# Altium PCB MB1428.PcbDoc (part 4 of 7)
Units mm, origin at the board's own origin, x right, y up, seen from the top; angles counter-clockwise.
Board outline 55.88 x 152.4 mm, 4 copper layers (Top Layer, Signal Layer 1, Signal Layer 2, Bottom Layer), stack 1.614 mm thick; 396 components, 227 nets, 1346 pads, 1469 vias.
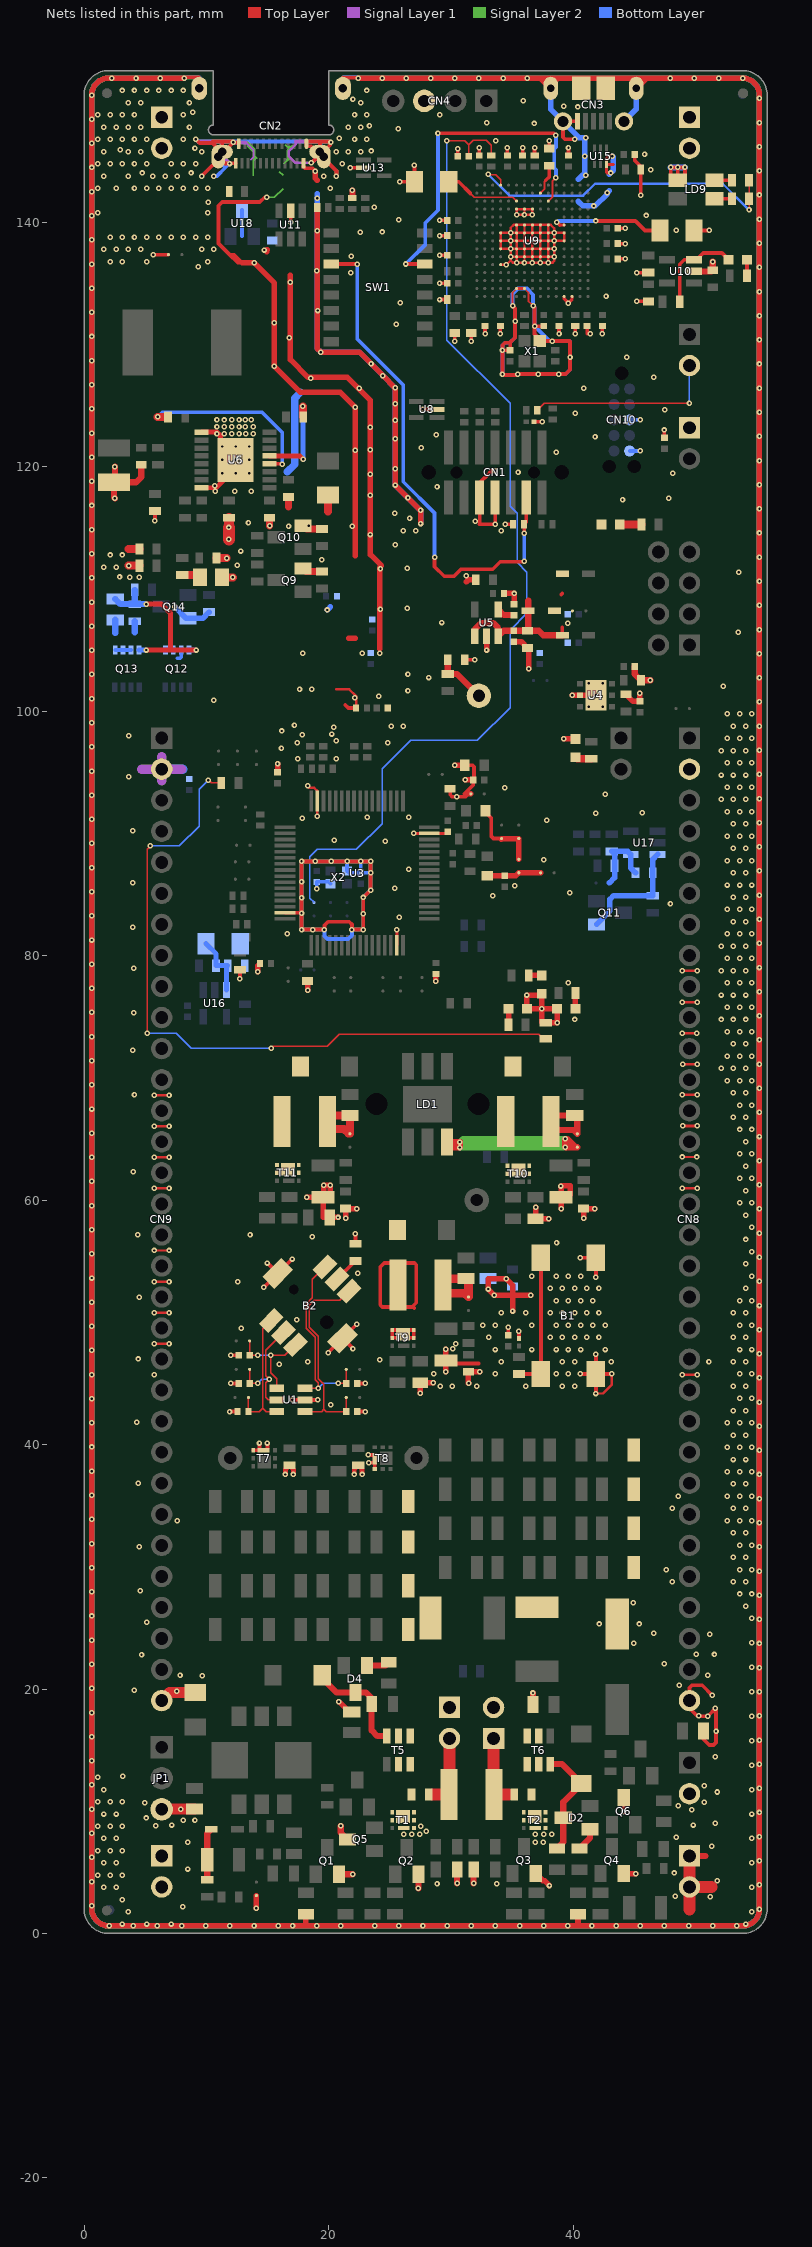
[diagram p6: the nets of this part, all layers, seen from the top]

## Via types
v1: diameter 0.45, hole 0.2, Top Layer to Bottom Layer, tented both sides, 1460 vias
v2: diameter 0.6, hole 0.2, Top Layer to Bottom Layer, tented both sides, 9 vias

## Nets (pads, with @x,y where several pads share a name; then routed paths per layer and width w, separated by ;. In a path a pad name is that pad's centre, name@x,y a point inside that pad or via, vN(x,y) a via of type N, cw(c..) or ccw(c..) an arc to the next point about the centre after c; other vN are vias at no path point) (continued)
GND: B1.3 B1.4 B2.7 B2.8 C4.1 C5.1 C6.1 C7.2 C8.1 C9.1 C10.1 C11.1 C12.1 C13.1 C14.1 C15.1 C16.1 C18.1 C19.1 C23.1 C24.1 C25.1 C30.1 C32.1 C33.1 C34.1 C35.1 C36.1 C37.1 C38.1 C39.1 C40.1 C41.1 C42.1 C43.1 C44.1 C45.1 C46.1 C47.1 C48.1 C49.1 C51.2 C52.1 C53.1 C54.1 C55.1 C56.1 C59.1 C60.1 C61.1 C62.1 C63.1 C64.1 C65.1 C66.1 C67.1 C68.1 C69.1 C70.1 C71.1 C72.1 C73.1 C74.1 C75.1 C76.1 C77.1 C78.1 C79.1 C80.1 C81.1 C82.1 C83.1 C84.1 C85.1 C86.1 C87.1 C89.1 C92.1 C93.1 C97.1 C98.1 C99.1 C100.1 C101.1 C103.1 C104.1 C105.1 CN1.5 CN1.7 CN2.1 CN2.2 CN2.3 CN2.4 CN2.5 CN2.6 CN2.A1 CN2.A12 CN2.B1 CN2.B12 CN3.5 CN3.6 CN3.7 CN3.8 CN3.9 CN3.10 CN3.11 CN4.3 CN5.1 CN5.2 CN6.1 CN6.2 CN7.2 CN8.2 CN8.32 CN9.2 CN9.32 CN10.3 CN10.5 CN11.1 CN11.2 CN12.1 CN12.2 JP1.3 JP6.1 L7.1 LD2.2 LD3.2 LD4.2 LD5.2 LD6.2 LD7.2 LD9.1 Q1.2 Q2.2 Q3.2 Q4.2 Q5.3 Q6.3 Q9.2 Q10.2 Q14.2 R1.1 R7.1 R12.1 R13.1 R59.1 R60.1 R66.1 R68.1 R70.1 R71.1 R73.1 R76.1 R77.1 R83.1 R98.1 R101.1 R103.1 R106.1 R108.1 R109.1 R118.1 R120.1 R122.2 R124.1 R126.2 R131.1 R135.1 R141.1 SB1.2 SB25.1 SB32.1 T1.4 T1.7 T2.4 T2.7 T7.4 T7.7 T8.4 T8.7 U1.2 U2.2 U3.15 U3.31 U3.47 U3.63 U4.2 U4.EP U5.2 U6.1 U6.8 U6.17 U7.2 U8.2 U9.D5 U9.D7 U9.D8 U9.D9 U9.F2 U9.F6 U9.F7 U9.F8 U9.F9 U9.F10 U9.F12 U9.G2 U9.G6 U9.G7 U9.G8 U9.G9 U9.G10 U9.G12 U9.H6 U9.H7 U9.H8 U9.H9 U9.H10 U9.H12 U9.J6 U9.J7 U9.J8 U9.J9 U9.J10 U9.K6 U9.K7 U9.K8 U9.K9 U9.K10 U9.M1 U9.M8 U9.M9 U9.N1 U10.2 U11.2 U12.2 U13.2 U14.2 U15.3 U18.3 X1.2 X2.2 X2.4 | length 1905
  Top Layer w0.15: v1(35.055,133.15) 35.055,134.25 U9.F2@35.38,134.575 ; U9.G2@36.03,134.575 36.36,134.245 36.36,133.52 v1(36.73,133.15)
  Top Layer w0.2: v1(5.75,48.25) v1(6.95,48.25) ; v1(5.75,50.8) v1(6.95,50.8) ; v1(5.75,53.325) v1(6.95,53.325) ; v1(5.75,55.875) v1(6.95,55.875) ; v1(5.75,60.95) v1(6.95,60.95) ; v1(5.75,63.5) v1(6.95,63.5) ; v1(5.75,66.025) v1(6.95,66.025) ; v1(5.75,68.575) v1(6.95,68.575) ; CN2.A1@17.945,144.53 17.945,144.555 CN2.A1@17.945,144.82 ; v1(18.289,93.879) 18.444,93.724 18.83,93.724 19.089,93.465 U3.47@19.089,92.654 v1(19.089,91.404) ; 20.645,101.78 21.695,101.78 22.25,101.225 C37.1@22.25,100.25 ; v1(29.595,47.8) v1@29.689,47.8 ; U9.D5@34.08,136.525 v1(34.555,136.525) 34.905,136.875 ; v1(41.875,44.175) 42.449,44.175 43.175,44.901 v1(43.175,45.775) ; v1(48.925,63.525) v1(50.125,63.525) ; v1(48.925,73.65) v1(50.125,73.65) ; v1(48.95,45.7) v1(50.15,45.7) ; v1(48.95,60.95) v1(50.15,60.95) ; v1(48.95,68.6) v1(50.15,68.6) ; v1(48.95,76.2) v1(50.15,76.2) ; v1(48.95,78.75) v1(50.15,78.75) ; v1(48.975,71.125) v1(50.175,71.125) ; U9.D8@34.08,138.475 v1(34.905,138.475) ; U9.D8@34.08,138.475 U9.D7@34.08,137.825 v1(34.905,137.825) ; U9.D8@34.08,138.475 U9.D9@34.08,139.125 v1(34.905,139.125) ; 34.905,136.875 v1(34.905,137.175) ; 34.905,136.875 35.08,136.7 v1(35.38,136.7) ; v1(34.905,137.175) U9.F6@35.38,137.175 ; v1(34.905,137.175) v1(34.905,137.825) ; v1(34.905,137.825) U9.F7@35.38,137.825 ; v1(34.905,137.825) v1(34.905,138.475) ; v1(34.905,138.475) U9.F8@35.38,138.475 ; v1(34.905,138.475) v1(34.905,139.125) ; v1(34.905,139.125) U9.F9@35.38,139.125 ; v1(34.905,139.125) 34.905,139.55 35.13,139.775 U9.F10@35.38,139.775 ; v1(35.38,136.7) U9.F6@35.38,137.175 ; v1(35.38,136.7) v1(36.03,136.7) ; U9.F6@35.38,137.175 U9.G6@36.03,137.175 ; U9.F6@35.38,137.175 U9.F7@35.38,137.825 ; U9.F7@35.38,137.825 U9.F8@35.38,138.475 ; U9.F7@35.38,137.825 U9.G7@36.03,137.825 ; U9.F8@35.38,138.475 U9.F9@35.38,139.125 ; U9.F8@35.38,138.475 U9.G8@36.03,138.475 ; U9.F9@35.38,139.125 U9.F10@35.38,139.775 ; U9.F9@35.38,139.125 U9.G9@36.03,139.125 ; U9.F10@35.38,139.775 U9.G10@36.03,139.775 ; v1(36.03,136.7) U9.G6@36.03,137.175 ; v1(36.03,136.7) v1(36.68,136.7) ; U9.G6@36.03,137.175 U9.H6@36.68,137.175 ; U9.G6@36.03,137.175 U9.G7@36.03,137.825 ; U9.G7@36.03,137.825 U9.G8@36.03,138.475 ; U9.G7@36.03,137.825 U9.H7@36.68,137.825 ; U9.G8@36.03,138.475 U9.G9@36.03,139.125 ; U9.G8@36.03,138.475 U9.H8@36.68,138.475 ; U9.G9@36.03,139.125 U9.G10@36.03,139.775 ; U9.G9@36.03,139.125 U9.H9@36.68,139.125 ; U9.G10@36.03,139.775 U9.H10@36.68,139.775 ; v1(36.03,140.6) U9.G12@36.03,141.075 ; v1(36.03,140.6) v1(36.68,140.6) U9.H12@36.68,141.075 U9.G12@36.03,141.075 ; v1(36.03,140.6) v1(35.38,140.6) U9.F12@35.38,141.075 U9.G12@36.03,141.075 ; v1(36.68,136.7) U9.H6@36.68,137.175 ; v1(36.68,136.7) v1(37.33,136.7) ; U9.H6@36.68,137.175 U9.J6@37.33,137.175 ; U9.H6@36.68,137.175 U9.H7@36.68,137.825 ; U9.H7@36.68,137.825 U9.H8@36.68,138.475 ; U9.H7@36.68,137.825 U9.J7@37.33,137.825 ; U9.H8@36.68,138.475 U9.H9@36.68,139.125 ; U9.H8@36.68,138.475 U9.J8@37.33,138.475 ; U9.H9@36.68,139.125 U9.H10@36.68,139.775 ; U9.H9@36.68,139.125 U9.J9@37.33,139.125 ; U9.H10@36.68,139.775 U9.J10@37.33,139.775 ; v1(37.33,136.7) U9.J6@37.33,137.175 ; v1(37.33,136.7) v1(37.98,136.7) ; U9.J6@37.33,137.175 U9.J7@37.33,137.825 ; U9.J6@37.33,137.175 U9.K6@37.98,137.175 ; U9.J7@37.33,137.825 U9.J8@37.33,138.475 ; U9.J7@37.33,137.825 U9.K7@37.98,137.825 ; U9.J8@37.33,138.475 U9.J9@37.33,139.125 ; U9.J8@37.33,138.475 U9.K8@37.98,138.475 ; U9.J9@37.33,139.125 U9.J10@37.33,139.775 ; U9.J9@37.33,139.125 U9.K9@37.98,139.125 ; U9.J10@37.33,139.775 U9.K10@37.98,139.775 ; v1(37.98,136.7) U9.K6@37.98,137.175 ; v1(37.98,136.7) 38.33,136.7 38.455,136.825 v1(38.455,137.175) ; U9.K6@37.98,137.175 v1(38.455,137.175) ; U9.K6@37.98,137.175 U9.K7@37.98,137.825 ; U9.K7@37.98,137.825 v1(38.455,137.825) ; U9.K7@37.98,137.825 U9.K8@37.98,138.475 ; U9.K8@37.98,138.475 U9.K9@37.98,139.125 ; U9.K8@37.98,138.475 v1(38.455,138.475) ; U9.K9@37.98,139.125 U9.K10@37.98,139.775 ; U9.K9@37.98,139.125 v1(38.455,139.125) ; U9.K10@37.98,139.775 38.18,139.775 38.455,139.5 v1(38.455,139.125) ; v1(38.455,137.175) v1(38.455,137.825) ; v1(38.455,137.825) v1(38.455,138.475) ; v1(38.455,138.475) U9.M8@39.28,138.475 U9.M9@39.28,139.125 v1(38.455,139.125) ; v1(38.455,138.475) v1(38.455,139.125)
  Top Layer w0.25: U3.63@16.439,83.504 17.739,83.504 v1(17.789,83.454) ; U3.15@25.589,80.854 v1(25.589,82.104) ; v1(26.989,90.004) U3.31@28.239,90.004 29.629,90.004 C30.1@29.75,90.125 ; U9.F2@35.38,134.575 U9.G2@36.03,134.575 ; U9.M1@39.28,133.925 39.28,133.725 39.605,133.4 v1(39.605,133.375) 39.93,133.7 U9.N1@39.93,133.925 ; v1(43.075,144.025) 42.8,144.025 42.75,144.075 U15.3@42.75,144.75 ; v1(43.225,145.4) 42.925,145.4 42.75,145.225 U15.3@42.75,144.75 ; 43.3,144.725 42.775,144.725 U15.3@42.75,144.75 ; v1(48.975,66.075) 49.002,66.048 50.148,66.048 v1(50.175,66.075)
  Top Layer w0.3: v1(5.675,137.35) SB32.1@6.9,137.35 ; v1(5.8,115.575) R109.1@5.8,116.375 ; 7.9,151.85 9.425,151.85 CN2.6@9.425,150.95 ; v1@9.145,146.781 9.451,146.475 10.513,146.475 10.98,146.008 CN2.4@10.98,145.35 ; v1@9.645,143.78 9.645,143.795 10.525,144.675 10.65,144.675 10.98,145.005 CN2.4@10.98,145.35 ; 10.535,146.6 11.3,146.6 ; v1(11.9,42.7) C10.1@12.55,42.7 ; v1(12,45) C12.1@12.65,45 ; v1(12,47.3) C15.1@12.65,47.3 ; CN2.A12@12.405,144.82 11.92,144.82 v1(11.9,144.8) 11.53,144.8 CN2.4@10.98,145.35 ; CN2.B1@12.655,146.205 CN2.B1@12.655,146.42 12.55,146.525 v1(12.2,146.525) ; v1(12.75,78.1) R83.1@12.75,78.85 ; T7.4@13.85,39.525 T7.7@14.5,39.525 ; v1(14.35,40.125) 14.35,39.675 T7.7@14.5,39.525 ; v1(14.7,52.853) B2.7@15.848,54.002 ; v1@14.975,142.025 v1(14.95,142.05) 14.775,142.05 14.375,141.65 11.3,141.65 10.995,141.345 10.995,138.255 11.9,137.35 ; v1(15,40.125) 15,39.7 14.825,39.525 T7.7@14.675,39.525 T7.7@14.5,39.525 ; v1(15,54.85) B2.7@15.848,54.002 ; v1(16.9,140) U11.2@16.9,140.925 ; v1(17.025,43.65) U1.2@18.075,43.65 v1(19.125,43.65) ; v1(17.025,55.178) B2.7@15.848,54.002 ; CN2.A1@17.945,144.555 18.075,144.425 18.675,144.425 v1(18.925,144.175) ; CN2.A1@17.945,144.82 CN2.A1@17.945,144.97 ; v1(18.6,144.85) CN2.2@19.295,145.545 ; v1(19.975,47.522) B2.8@21.152,48.698 ; v1(20.2,146.525) v1@20.125,146.6 ; v1@20.645,143.78 20.645,144.183 19.295,145.533 CN2.2@19.295,145.545 ; CN2.3@21.175,150.95 21.175,151.825 22.375,151.825 v1(22.425,151.775) ; 21.375,100.5 21.625,100.25 C37.1@22.25,100.25 ; v1(21.78,144.45) U13.2@22.855,144.45 ; v1(22,47.85) B2.8@21.152,48.698 ; R70.1@22.2,56.425 v1(22.2,57.25) ; v1(22.3,49.847) B2.8@21.152,48.698 ; C11.1@22.35,42.7 v1(23,42.7) ; C13.1@22.35,45 v1(23,45) ; v1(23.25,39.15) 23.6,39.15 23.775,38.975 T8.7@23.775,38.825 T8.7@23.775,38.65 ; v1(23.275,38.5) 23.625,38.5 T8.7@23.775,38.65 ; T8.4@23.775,38 T8.7@23.775,38.65 ; v1(25.83,143.3) C78.1@27.03,143.3 v1(27.03,144.65) ; v1(27.698,124.682) U8.2@28.875,124.682 ; v1(29.08,133.675) R120.1@29.705,133.675 ; v1(29.08,135) C70.1@29.705,135 ; v1(29.08,137.3) C72.1@29.705,137.3 ; v1(29.08,138.9) C75.1@29.705,138.9 ; v1(29.08,140.15) C77.1@29.705,140.15 ; R68.1@29.6,46.875 29.85,46.625 32.3,46.625 ; C32.1@29.95,93.65 29.95,93.15 30.1,93 v1(30.5,93) 31.2,93 31.429,93.229 ; v1(30.33,130.275) C60.1@30.33,130.925 ; C84.1@30.58,145.4 v1(30.58,146.025) ; 31.107,93.229 31.839,93.961 C34.1@31.839,94.379 31.9,94.44 31.9,95.45 31.771,95.579 L7.1@31.139,95.579 ; C41.1@31.15,104.2 v1(31.95,104.2) ; v1(31.68,130.275) C61.1@31.68,130.925 ; C79.1@32.33,145.45 v1(32.33,146.075) ; v1(32.805,130.875) C62.1@32.805,131.5 ; v1(33.6,119.65) 33.3,119.65 33.195,119.545 33.195,119.495 32.78,119.08 32.73,119.08 32.365,118.715 CN1.5@32.365,117.493 32.365,115.292 32.355,115.282 v1(33.625,115.282) 33.635,115.292 CN1.7@33.635,117.493 ; v1(34.055,130.875) C63.1@34.055,131.5 ; v1(34.444,115.282) 34.447,115.285 R106.1@35.1,115.285 ; C80.1@34.63,145.45 v1(34.63,146.075) ; C16.1@34.7,48.95 v1(34.7,49.6) ; v1(35.055,133.15) 35.26,132.945 v1(35.26,131.905) 35.26,130.555 34.855,130.15 ; U2.2@35.575,48.687 v1(35.575,49.275) ; C81.1@35.88,145.45 v1(35.88,146.075) ; v1(36.73,133.15) 36.855,133.025 v1(36.855,131.5) ; U7.2@36.797,123.675 37.493,123.675 v1(37.486,123.682) ; R131.1@36.855,145.45 v1(36.855,146.075) ; C64.1@37.53,131.425 C64.1@37.605,131.5 v1(36.855,131.5) ; C82.1@38.055,146.025 v1(38.055,146.65) ; v1(38.855,130.875) C65.1@38.855,131.5 ; C83.1@39.63,145.45 v1(39.63,146.075) ; v1(39.755,128.95) v1@39.75,128.955 ; v1@40.145,146.781 39.344,146.781 39.175,146.95 CN3.7@39.175,148.25 CN3.5@40.375,148.25 ; v1(40.18,130.875) R118.1@40.18,131.5 ; v1(40.575,45.775) B1.3@41.875,45.775 ; v1(40.575,55.275) B1.4@41.875,55.275 v1(41.875,53.675) ; 41.155,130.875 C66.1@41.155,131.5 ; v1(41.875,44.175) B1.3@41.875,45.775 ; v1(41.875,47.375) B1.3@41.875,45.775 ; v1(42.405,130.875) C67.1@42.405,131.5 ; v1(43.175,45.775) B1.3@41.875,45.775 ; C71.1@43.655,137 v1(44.28,137) ; C73.1@43.655,138.25 v1(44.28,138.25) ; C76.1@43.655,139.5 v1(44.28,139.5) ; v1(44.15,9.975) Q6.3@44.15,11.1 ; C85.1@45.05,145.55 45.05,145.05 45.55,144.55 U14.2@45.55,144.3 v1(45.55,142.2) ; v1(45.205,135.875) R122.2@46.155,135.875 ; v1(45.23,133.525) C68.1@46.18,133.525 ; C56.1@47.475,122.375 v1(47.475,123) ; LD9.1@47.985,143.42 v1(47.985,144.48) v1@48.575,144.48 ; LD9.1@48.575,143.425 v1@48.575,144.48 ; v1(48.575,144.485) v1@48.575,144.48 ; LD9.1@49.16,143.42 v1(49.16,144.48) v1@48.575,144.48 ; C74.1@49.905,139.325 v1(51.13,139.325) ; C5.1@50.675,16.55 50.675,15.9 51.15,15.425 51.5,15.425 51.7,15.625 v1(51.7,16.55) 51.7,18.375 v1(51.65,18.425) 51.65,18.4 v1(51.025,17.775) 50.175,17.775 49.53,18.42 49.53,20.108 49.725,20.303 50.572,20.303 v1(51.4,19.475) ; 11.3,146.6 11.305,146.595 CN2.5@11.305,145.75 11.425,145.75 v1(12.2,146.525) ; 11.3,146.6 12.125,146.6 v1(12.2,146.525) ; 11.9,137.35 12.575,136.675 12.925,136.675 12.25,137.35 11.9,137.35 ; CN2.2@19.295,145.545 CN2.2@19.295,145.75 ; CN2.2@19.295,145.75 19.295,146.595 19.3,146.6 ; CN2.2@19.295,145.75 19.545,145.5 19.545,145.707 20.125,146.287 v1@20.125,146.6 ; CN2.2@19.295,145.75 19.025,145.75 18.575,146.2 18.2,146.2 18.195,146.205 CN2.B12@18.195,146.42 18.195,146.595 18.2,146.6 19.3,146.6 ; 19.3,146.6 v1@20.125,146.6 ; v1(34.23,129.525) 34.23,127.579 v1(34.231,127.578) 34.304,127.505 35.385,127.505 35.455,127.575 v1(35.48,127.575) v1(37.155,127.575) v1(38.83,127.575) 39.405,127.575 39.75,127.92 v1@39.75,128.955 ; v1(34.23,129.525) 34.23,129.925 34.455,130.15 34.855,130.15 ; v1(34.23,129.525) C59.1@34.855,129.525 34.855,130.15 ; v1(36.855,131.5) 36.855,130.85 37.28,130.425 X1.2@37.28,130.275 v1(38.305,130.275) 39.73,130.275 39.75,130.255 v1@39.75,128.955 ; v1(17.789,82.129) v1(18.726,82.129) v1(19.664,82.129) 19.664,82.479 19.964,82.779 21.689,82.779 21.914,82.554 v1(21.914,82.129) v1(22.839,82.129) v1(22.839,83.441) v1(22.839,84.754) v1(23.439,85.354) v1(23.439,86.779) v1(23.439,87.704) v1(22.639,87.704) v1(21.514,87.704) v1(20.214,87.704) v1(18.914,87.704) v1(17.789,87.704) v1(17.789,86.029) v1(17.789,84.729) v1(17.789,83.454) v1(17.789,82.129)
  Top Layer w0.4: U6.8@9.625,118.275 10.825,118.275 11.138,118.588 ; U6.1@9.625,122.825 10.875,122.825 11.15,122.55 11.15,121.8 v2(11.3,121.65) v2(12.4,120.55) ; v1(16.475,37.55) 16.475,37.975 R59.1@16.8,38.3 17.125,37.975 v1(17.125,37.55) ; v1(22.1,37.55) 22.1,37.975 R60.1@22.425,38.3 22.75,37.975 v1(22.75,37.55) ; 11.138,118.588 11.138,119.288 v2(11.3,119.45) v2(12.4,120.55) ; 11.138,118.588 12.4,119.85 v2(12.4,120.55)
  Top Layer w0.45: v1(2.053,0.625) cw(c2.053,2.053) 1.787,0.65 ; v1(8.2,151.775) 2,151.775 ccw(c2,150.4) v1(0.625,150.4) 0.625,4.325 0.625,2.053 ccw(c2.053,2.053) 1.787,0.65 ; 12.925,136.675 v1(13.925,136.675) 15.575,135.025 v1(15.575,131.775) v1(15.575,128.2) 17.7,126.075 20.975,126.075 v1(22.175,124.875) v1(22.175,121.35) 22.175,112.692 ; v1(14.1,2.05) SB1.2@14.1,3.1 ; v1(14.2,78.675) 14.2,79.15 C25.1@14.4,79.35 ; 14.95,137.575 14.95,137.725 14.975,137.75 ; C33.1@15.825,95 v1(15.825,95.7) ; 16.875,135.65 v1(16.875,135.075) 16.875,128.75 18.325,127.3 21.55,127.3 23.425,125.425 v1(23.425,123.225) v1(23.425,121.4) v1(23.425,119.375) v1(23.425,117.675) v1(23.425,114.45) 23.425,112.812 24.175,112.062 24.175,112.05 24.325,111.9 24.175,111.75 24.175,105.1 ; R1.1@18.15,1.575 18.15,0.675 18.175,0.65 ; v1(18.225,60.225) R77.1@19.55,60.225 ; v1(18.289,77.161) C23.1@18.289,77.929 ; v1(18.925,144.175) 18.925,143.575 19.075,143.425 ; R124.1@19.075,141.2 v1(19.075,139.3) 19.075,129.675 v1(19.375,129.375) 22.525,129.375 v1(24.45,127.45) v1(25.45,126.45) 25.425,126.425 25.45,126.4 v1(25.45,125.15) 25.45,123.85 25.425,123.825 v1(25.45,123.8) v1(25.45,122.3) v1(25.45,119.825) v1(25.45,118.5) v1(27.525,116.425) v1(27.525,115.35) ; v1(20.775,58.575) R71.1@20.1,58.575 19.55,58.575 R77.1@19.55,60.225 ; v1(20.85,18.975) 21.7,18.125 C6.1@21.9,18.125 ; v1(21.405,58.525) 21.4,58.53 C19.1@21.4,59.3 22.32,59.3 v1(22.325,59.305) ; 21.65,105.95 22.175,105.95 ; v1(22.425,151.775) 37.675,151.775 ; v1(27.5,44.2) R66.1@27.5,45.05 v1(28.55,45.05) ; v1(28.789,77.904) C24.1@28.789,78.504 ; v1(29.595,47.8) 29.6,47.795 R68.1@29.6,46.875 v1(29.6,45.95) ; v1(29.703,0.625) 49.3,0.625 53.88,0.625 ccw(c53.88,2) v1(55.255,2) 55.255,2.428 55.25,2.428 55.25,150.405 ccw(c53.88,150.405) v1(53.88,151.775) 46,151.775 ; v1@29.703,0.65 18.175,0.65 ; v1(30.314,95.579) L7.1@31.139,95.579 ; v1(31.189,94.379) C34.1@31.839,94.379 ; 31.275,110.575 31.45,110.75 C47.1@32.05,110.75 ; 31.429,93.229 SB25.1@31.639,93.229 ; v1(31.455,45.025) 31.45,45.03 C14.1@31.45,45.95 32.37,45.95 v1(32.375,45.955) ; v1(32.925,105) U5.2@32.925,106.125 ; C45.1@34.35,109.625 v1(35.175,109.625) C44.1@35.175,108.75 ; v1(35.05,50.925) 35.05,52.225 ; C43.1@35.15,105.675 35.775,105.675 C42.1@36.275,105.175 36.385,105.065 v1(36.385,103.455) ; v1(36.525,52.225) 35.05,52.225 ; v1(36.94,59.4) 36.945,59.395 R73.1@36.945,58.475 v1(38,58.475) ; Q3.2@36.95,4.9 37.525,4.325 37.675,4.325 v1(38.075,3.925) ; 37.15,151.775 37.35,151.775 ; v1(39.025,59.3) 39.02,59.305 R76.1@39.02,60.225 ; v1(39.25,97.725) LD6.2@40.2,97.725 ; v1(39.95,101.3) U4.2@40.575,101.3 v1(41.875,101.3) ; v1(40.875,58.525) 40.87,58.53 C18.1@40.87,59.3 41.79,59.3 v1(41.795,59.305) ; Q4.2@44.15,4.9 v1(45.125,4.9) ; C36.1@44.35,101.375 44.925,100.8 C35.1@45.475,100.8 v1(45.475,101.475) ; CN3.9@45.175,150.95 46,151.775 ; 1.787,0.65 18.175,0.65 ; R77.1@19.55,60.225 R77.1@19.6,60.275 ; R77.1@19.6,60.275 v1(19.6,61.225) v1(20.15,61.225) 20.15,60.45 19.6,59.9 R77.1@19.6,60.275 ; 35.05,52.225 35.05,53.05 v1(34.525,53.575) 33.05,53.575 v1(33.05,52.725) 33.55,52.225 v1(33.575,52.225) 35.05,52.225 ; 37.35,151.775 CN3.8@38.175,150.95 cw(c39,150.95) 39,151.775 ; 37.35,151.775 39,151.775 ; v1(37.45,75.65) 37.45,74.55 37.475,74.525 v1(38.7,74.525) LD4.2@38.7,75.65 v1(37.45,75.65) ; v1(37.45,75.65) LD5.2@37.45,76.875 37.35,76.775 v1(36.225,76.775) LD3.2@36.225,75.65 v1(37.45,75.65) ; 39,151.775 46,151.775 ; R76.1@39.02,60.225 39.55,60.225 39.775,60.45 39.775,61.175 39.04,61.175 v1(39.015,61.15) 39.02,61.145 R76.1@39.02,60.225
  Top Layer w0.5: v1(2.525,117.4) 2.45,117.475 C54.1@2.45,118.725 ; v1(2.525,120) 2.525,118.8 C54.1@2.45,118.725 ; C55.1@4.675,120.15 4.675,119.15 4.25,118.725 C54.1@2.45,118.725 ; Q1.2@20.85,4.85 v1(21.975,4.85) ; v1(21,8.8) 21,8.25 Q5.3@21.55,7.7 ; R126.2@21.955,141.975 v1(21.955,142.6) ; v1(27.35,3.7) Q2.2@27.35,4.85 ; v1(30.525,4.1) R12.1@30.525,5.25 ; v1(31.875,4.1) R13.1@31.875,5.25 ; C9.1@36.725,18.725 v1(36.725,19.675) ; 40.375,0.65 40.4,0.675 R7.1@40.4,1.575 ; C40.1@45.05,103.65 45.05,103.025 C39.1@45.55,102.525 v1(46.325,102.525) ; CN5.1@49.53,6.35 50.828,6.35 ; U10.2@49.905,135.975 51.33,135.975 C69.1@51.43,136.075 v1(51.43,136.775)
  Top Layer w0.6: v1(15.175,115.15) C51.2@15.175,115.825 ; 16.725,116.7 C53.1@16.725,117.525 ; Q9.2@17.925,111.675 18.175,111.425 R98.1@19.475,111.425 ; Q10.2@17.925,115.175 18.2,114.9 R103.1@19.475,114.9
  Top Layer w0.65: v1(3.65,111.9) R101.1@4.525,111.9 ; 3.65,113.275 C49.1@4.525,113.275 ; C48.1@10.825,112.525 v1(11.675,112.525) ; C46.1@11.25,110.95 v1(12.175,110.95) ; 19.95,116.325 C52.1@19.95,117.675
  Top Layer w0.8: v1(11.85,115.025) R108.1@11.85,115.825
  Top Layer w0.9: JP1.3@6.35,10.16 6.365,10.175 C4.1@9.025,10.175 ; CN9.32@6.35,19.05 7,19.7 C8.1@9.1,19.7
  Top Layer w1: v1(11.85,114.05) v1(11.85,115.025) ; 49.53,1.98 CN5.2@49.53,3.81 ; CN5.1@49.53,6.35 CN5.2@49.53,3.81 ; 51.34,3.81 CN5.2@49.53,3.81
  Signal Layer 1 w0.15: 13.225,146.525 13.87,145.88 13.87,145.345 13.65,145.125
  Signal Layer 1 w0.2: 17.325,146.6 17.325,146.379 16.73,145.784 16.73,145.416 17.296,144.85 v1(18.6,144.85)
  Signal Layer 1 w0.3: v1(8.2,151.775) 8.275,151.85 9.325,151.85 9.425,151.75 CN2.6@9.425,150.95 ; v1@9.145,146.781 9.326,146.6 11.225,146.6 ; v1(11.9,144.8) 11.35,145.35 CN2.4@10.98,145.35 10.98,145.575 11.225,145.82 11.225,146.6 ; 13.225,146.525 v1(12.2,146.525) 12.225,146.55 12.175,146.6 11.225,146.6 ; 17.325,146.6 19.475,146.6 ; v1(18.6,144.85) 19.295,145.545 CN2.2@19.295,145.75 19.295,146.42 19.475,146.6 ; v1(20.2,146.525) 20.125,146.6 19.475,146.6 ; CN2.3@21.175,150.95 21.175,151.825 21.2,151.85 22.35,151.85 v1(22.425,151.775)
  Signal Layer 1 w0.8: 4.75,95.25 CN9.2@6.35,95.25 ; 6.35,94.3 CN9.2@6.35,95.25 ; 6.35,96.265 CN9.2@6.35,95.25 ; 8,95.25 CN9.2@6.35,95.25
  Signal Layer 2 w0.12: v1(12.2,146.525) 13.4,146.525 ; 13.855,143.8 13.855,145.009 ; 14.159,145.218 14.137,145.218 13.945,145.41 ; v1(14.95,142.05) 15.575,142.05 16.275,142.75 ; 15.975,144.125 16.275,143.825 ; 16.35,144.8 16.65,145.1 ; 16.45,146.325 16.65,146.125 ; 13.4,146.525 13.4,146.223 13.855,145.768 13.855,145.5 ; 13.4,146.525 13.95,145.975 13.95,145.773 13.945,145.768 13.945,145.41 ; 13.855,145.009 13.945,145.099 13.945,145.41 ; 13.855,145.009 13.855,145.5 ; 13.855,145.5 13.945,145.41
  Signal Layer 2 w0.2: 16.73,146.13 16.775,146.175 ; 17,146.054 17,146.175
  Signal Layer 2 w0.25: 16.65,145.1 16.705,145.155 16.705,145.88 17,146.175
  Signal Layer 2 w0.3: v1(8.2,151.775) 8.25,151.825 9.425,151.825 CN2.6@9.425,150.95 ; v1@9.145,146.781 9.326,146.6 11.225,146.6 ; v1(11.9,144.8) 11.35,145.35 CN2.4@10.98,145.35 10.98,145.78 11.225,146.025 11.225,146.6 ; v1(12.2,146.525) 12.125,146.6 11.225,146.6 ; 17.9,146.6 19.325,146.6 ; v1(18.6,144.85) 19.295,145.545 CN2.2@19.295,145.75 ; CN2.2@19.62,145.208 CN2.1@19.62,145.35 19.62,145.425 CN2.2@19.295,145.75 ; v1(19.664,82.129) v1(18.726,82.129) v1(17.789,82.129) v1(17.789,83.454) v1(17.789,84.729) v1(17.789,86.029) v1(17.789,87.704) v1(18.914,87.704) v1(20.214,87.704) v1(21.514,87.704) v1(22.639,87.704) v1(23.439,87.704) v1(23.439,86.779) v1(23.439,85.354) v1(22.839,84.754) v1(22.839,83.441) v1(22.839,82.129) v1(21.914,82.129) ; v1(20.2,146.525) 20,146.525 19.925,146.6 19.325,146.6 ; v1@20.645,143.78 20.645,144.183 ; CN2.3@21.175,150.95 21.175,151.85 v1@22.525,151.85 ; CN2.2@19.295,145.75 19.295,146.37 19.325,146.4 19.325,146.6
  Signal Layer 2 w0.45: v1@5.203,0.65 31.653,0.65 v1(31.678,0.625) 49.3,0.625 53.88,0.625 ccw(c53.88,2) v1(55.255,2) 55.255,2.428 55.25,2.428 55.25,150.405 ccw(c53.88,150.405) v1(53.88,151.775) v1(22.425,151.775) ; v1(6.003,0.625) v1(2.053,0.625) cw(c2.053,2.053) 0.625,2.053 0.625,4.325 v1(0.625,150.4) cw(c2,150.4) 2,151.775 v1(8.2,151.775)
  Bottom Layer w0.3: v1@8.375,151.85 9.45,151.85 9.425,151.825 CN2.6@9.425,150.95 ; v1@9.145,146.781 9.326,146.6 11.275,146.6 ; v1@10.645,143.78 10.88,143.78 11.55,144.45 ; v1(12.2,146.525) v1@12.125,146.6 ; 12.925,138.875 U18.3@12.925,141.025 ; v1(17.789,87.704) v1(17.789,86.029) v1(17.789,84.729) v1(17.789,83.454) v1(17.789,82.129) v1(18.726,82.129) v1(19.664,82.129) 19.664,81.604 19.914,81.354 21.614,81.354 21.914,81.654 v1(21.914,82.129) v1(22.839,82.129) v1(22.839,83.441) v1(22.839,84.754) v1(23.439,85.354) v1(23.439,86.779) ; v1(18.6,144.85) 19.295,145.545 CN2.2@19.295,145.75 19.295,146.22 19.338,146.262 19.338,146.6 ; v1(18.914,87.704) v1(20.214,87.704) v1(21.514,87.704) ; v1(19.039,85.454) C93.1@19.039,86.029 20.014,86.029 X2.4@20.164,85.879 ; v1(20.2,146.525) 20.075,146.525 20,146.6 19.338,146.6 ; CN2.3@21.175,150.95 21.175,151.825 21.2,151.85 22.35,151.85 v1(22.425,151.775) ; v1@35.03,133.15 35.26,132.92 v1(35.26,131.905) 35.26,130.555 34.855,130.15 34.455,130.15 34.23,129.925 v1(34.23,129.525) 34.231,129.524 v1(34.231,127.578) 34.304,127.505 35.41,127.505 v1(35.48,127.575) v1(37.155,127.575) v1(38.83,127.575) 39.405,127.575 39.755,127.925 v1(39.755,128.95) 39.755,130.25 39.73,130.275 v1(38.305,130.275) 38.08,130.275 v1(36.855,131.5) 36.855,133.025 v1(36.73,133.15) 36.73,134.075 36.23,134.575 35.505,134.575 35.055,134.125 v1(35.055,133.15) ; CN10.5@44.63,121.285 v1(45.505,121.285) ; CN10.3@44.63,123.825 v1(45.505,123.825) ; CN2.4@10.98,145.35 11.175,145.545 11.9,144.82 v1(11.9,144.8) ; CN2.4@10.98,145.35 10.98,145.02 11.55,144.45 ; CN2.4@10.98,145.35 11.35,145.35 v1(11.9,144.8) ; CN2.4@10.98,145.35 10.98,145.755 11.275,146.05 11.275,146.6 ; 11.275,146.6 v1@12.125,146.6 ; 11.55,144.45 v1(11.9,144.8) ; v1@12.125,146.6 19.338,146.6 ; v1(21.514,87.704) X2.2@21.514,86.929 21.664,86.779 C92.1@22.639,86.779 ; v1(21.514,87.704) v1(22.639,87.704) ; C92.1@22.639,86.779 v1(23.439,86.779) ; C92.1@22.639,86.779 v1(22.639,87.704) ; v1(22.639,87.704) v1(23.439,87.704) v1(23.439,86.779)